# Altium PCB Lay-51943_B.brd.PcbDoc (part 4 of 8)
Units mil, origin at the board's own origin, x right, y up, seen from the top; angles counter-clockwise.
Board outline 2903.05 x 2405.84 mil, 6 copper layers (TOP, L2_GND_1, L3_INT_1, L4_PWR, L5_GND_2, BOTTOM), stack 60.244 mil thick; 568 components, 400 nets, 2143 pads, 1138 vias.
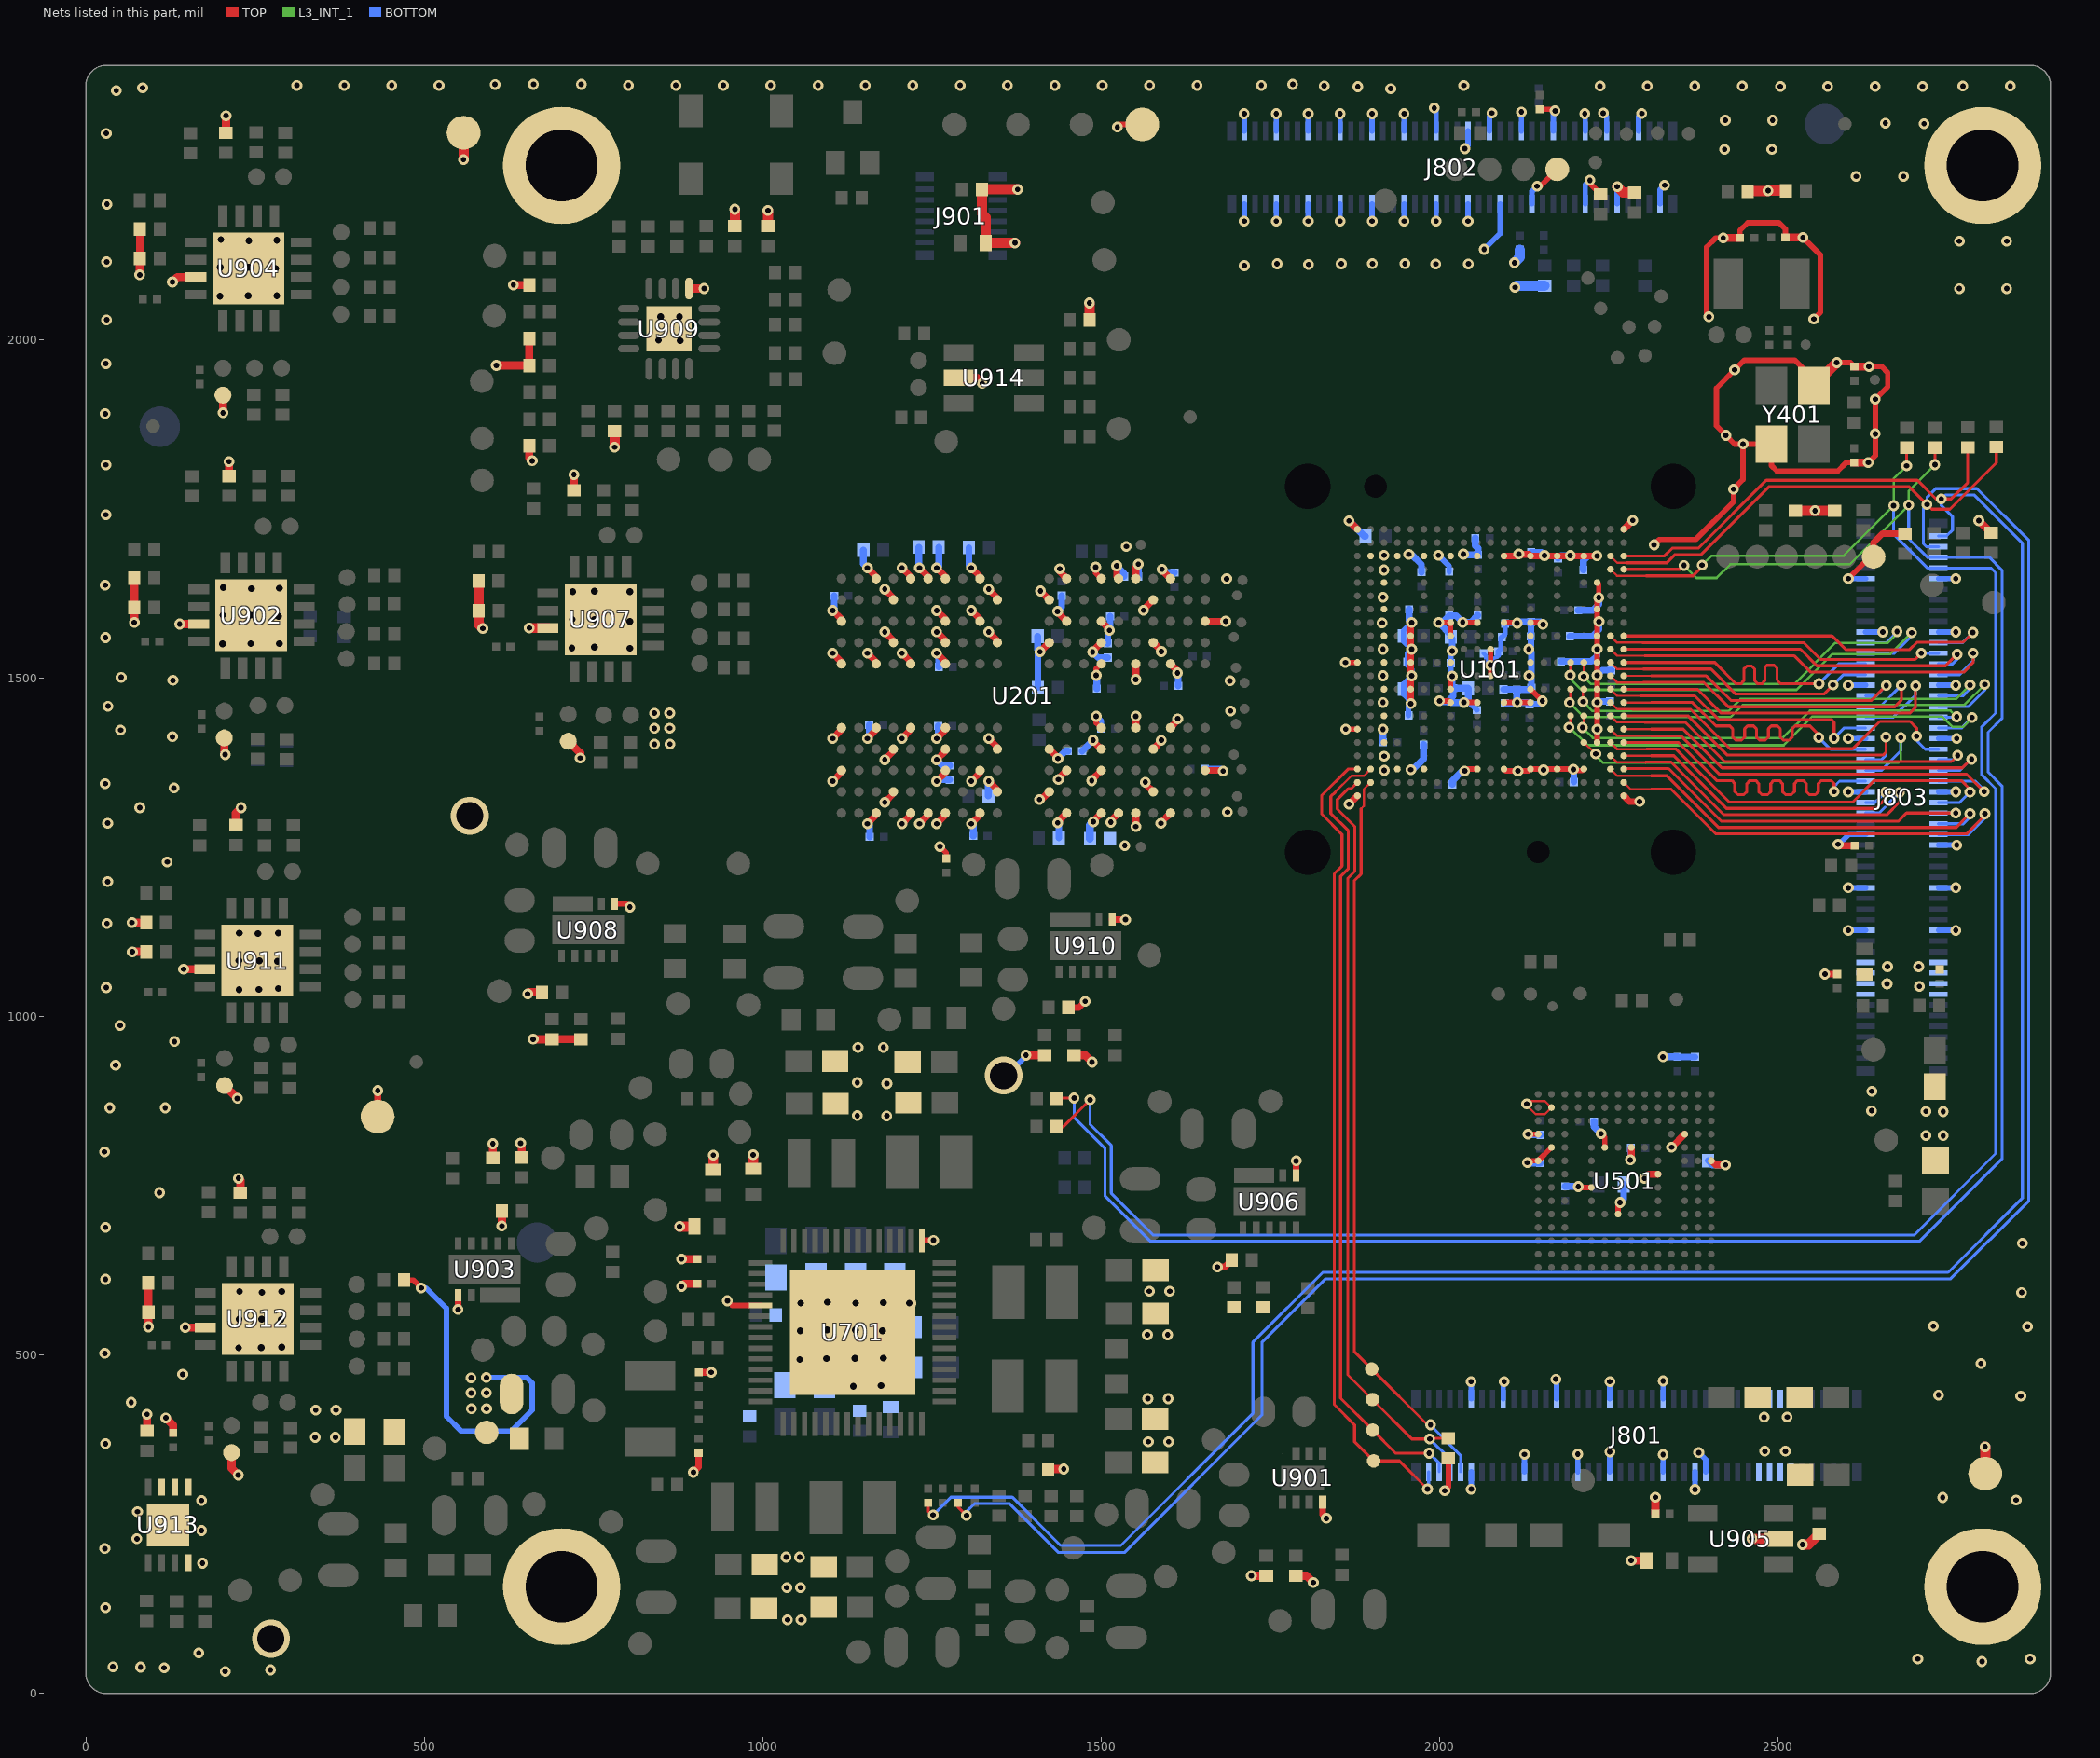
[diagram p8: the nets of this part, all layers, seen from the top]

## Via types
v1: diameter 16, hole 8, TOP to BOTTOM, tented both sides, 1003 vias
v2: diameter 20, hole 10, TOP to BOTTOM, tented both sides, 66 vias
v3: diameter 16, hole 8, TOP to BOTTOM, tented bottom, 63 vias
v4: diameter 56, hole 40, TOP to BOTTOM, 6 vias

## Nets (pads, with @x,y where several pads share a name; then routed paths per layer and width w, separated by ;. In a path a pad name is that pad's centre, name@x,y a point inside that pad or via, vN(x,y) a via of type N, cw(c..) or ccw(c..) an arc to the next point about the centre after c; other vN are vias at no path point) (continued)
GND: BH801.1 BH802.1 BH803.1 BH804.1 C101.2 C102.2 C106.2 C107.2 C108.2 C109.2 C110.2 C111.2 C114.2 C116.2 C117.2 C118.2 C119.2 C124.2 C129.2 C130.2 C131.2 C132.2 C134.2 C135.2 C136.2 C137.2 C138.2 C139.2 C140.2 C141.2 C142.2 C143.2 C144.2 C145.2 C146.2 C147.2 C148.2 C149.2 C151.2 C152.2 C153.2 C154.2 C155.2 C156.2 C201.2 C202.2 C203.2 C204.2 C205.2 C206.2 C207.2 C208.2 C209.2 C210.2 C211.2 C212.2 C213.2 C214.2 C215.2 C216.2 C217.2 C218.2 C219.2 C220.2 C221.2 C222.2 C401.2 C402.2 C403.2 C404.2 C405.2 C501.2 C502.2 C503.2 C504.2 C505.2 C506.2 C507.2 C508.2 C509.2 C701.1 C702.1 C703.2 C704.2 C705.2 C706.2 C707.2 C708.2 C709.1 C710.2 C711.2 C712.1 C713.1 C714.2 C715.2 C716.2 C717.2 C718.1 C719.2 C720.2 C721.1 C722.2 C723.2 C724.1 C725.2 C726.2 C727.2 C728.2 C729.2 C730.2 C731.2 C801.2 C802.2 C803.2 C804.2 C805.2 C806.2 C807.2 C808.2 C809.2 C901.2 C903.2 C904.2 C906.2 C909.2 C911.2 C912.2 C913.2 C914.2 C915.2 C916.2 C918.2 C919.2 C922.2 C923.2 C925.2 C926.2 C928.2 C929.2 C930.2 C931.2 C934.2 C935.2 C937.2 C938.2 C942.2 C943.2 C944.2 C946.2 C947.2 C951.2 C952.2 C953.2 C954.2 D601.C J801.11 J801.12 J801.13 J801.14 J801.15 J801.16 J801.17 J801.18 J801.28 J801.30 J801.35 J801.36 J801.45 J801.46 J801.52 J801.55 J801.62 J801.65 J801.71 J801.72 J802.1 J802.2 J802.7 J802.8 J802.13 J802.14 J802.19 J802.20 J802.25 J802.26 J802.31 J802.32 J802.37 J802.38 J802.43 J802.44 J802.48 J802.49 J802.54 J802.55 J802.60 J802.65 J802.66 J802.70 J802.71 J802.76 J802.79 J803.9 J803.10 J803.19 J803.20 J803.29 J803.30 J803.39 J803.40 J803.49 J803.50 J803.57 J803.60 J803.67 J803.68 J803.75 J803.76 J803.81 J803.82 J803.83 J803.84 J803.85 J803.86 J803.87 J803.88 J901.2 J901.12 R201.2 R204.2 R207.1 R208.1 R302.1 R303.2 R305.2 R403.2 R415.2 R416.2 R417.2 R418.2 R609.2 R610.2 R611.2 R612.2 R614.2 R718.2 R912.2 R913.2 R930.2 R933.2 R950.2 R955.2 R978.2 R979.2 R980.2 R981.2 R982.2 R992.2 R993.2 R1023.2 R1024.2 TP615.1 TP617.1 TP801.1 TP802.1 TP803.1 TP804.1 U101.A1 U101.A21 U101.AA1 U101.AA21 U101.C2 U101.C4 U101.C6 U101.C8 U101.C10 U101.C12 U101.C14 U101.C16 U101.C18 U101.E3 U101.E19 U101.G3 U101.G19 U101.H8 U101.H10 U101.H12 U101.H14 U101.J3 U101.J5 U101.J8 U101.J14 U101.J19 U101.K11 U101.L1 U101.L3 U101.L5 U101.L8 U101.L14 U101.L19 U101.M11 U101.N3 U101.N5 U101.N8 U101.N14 U101.N19 U101.P8 U101.P10 U101.P12 U101.P14 U101.R3 U101.R19 U101.T1 U101.U3 U101.U19 U101.W4 U101.W6 U101.W10 U101.W12 U101.W14 U101.W16 U101.W18 U201.A3 U201.A10 U201.AB3 U201.AB5 U201.AB8 U201.AB10 U201.C1 U201.C5 U201.C8 U201.C12 U201.D2 U201.D4 U201.D9 U201.D11 U201.E1 U201.E5 U201.E8 U201.E12 U201.G1 U201.G3 U201.G5 U201.G8 U201.G10 U201.G12 U201.J1 U201.J3 U201.J10 U201.J12 U201.K2 U201.K4 U201.K9 U201.K11 U201.N2 U201.N4 U201.N9 U201.N11 U201.P1 U201.P3 U201.P10 U201.P12 U201.T1 U201.T3 U201.T5 U201.T8 U201.T10 U201.T12 U201.V1 U201.V5 U201.V8 U201.V12 U201.W2 U201.W4 U201.W9 U201.W11 U201.Y1 U201.Y5 U201.Y8 U201.Y12 U501.A6 U501.C4 U501.E7 U501.G5 U501.H10 U501.J5 U501.K8 U501.N2 U501.N5 U501.P4 U501.P6 U701.5 U701.43 U701.57 U901.4 U902.3 U902.17 U903.6 U904.3 U904.17 U905.2 U906.6 U907.3 U907.17 U908.6 U909.13 U909.17 U910.6 U911.3 U911.17 U912.3 U912.17 U913.4 U913.5 U913.6 U913.7 U913.9 U914.2 Y401.2 Y401.4 | length 10622.9
  TOP w3: v1@2129.18,869.14 2142.18,856.14 2155.93,856.14 U501.N2@2165.72,865.93 2156.07,875.58 2133.51,875.58 v1(2129.18,871.25) v1@2129.18,869.14
  TOP w8: U908.6@781.55,1166.84 799.1,1166.84 v1(803.83,1162.11) ; v1(947.95,580.41) 955.04,573.32 U701.5@997.03,573.32 ; U701.43@1235.22,669.78 v1(1252.44,669.78) ; v1(1262.05,1251.7) 1271.41,1242.34 C153.2@1271.41,1233.94 ; v1(1492.09,1664.41) 1492.09,1655.81 U201.G1@1500.39,1647.51 ; v1(1493,1443.98) 1493,1434.43 U201.G8@1500.39,1427.04 ; v1(1493,1504.58) 1493,1514.13 U201.G5@1500.39,1521.52 ; v1(1524.21,2314.56) 1528.2,2318.55 TP802.1@1561,2318.55 ; v1(1861.17,1523.48) U101.L1@1878.87,1523.48 ; v1(1861.55,1425.05) U101.T1@1878.87,1425.06 ; v1(1998.97,1582.54) U101.H8@2016.66,1582.54 U101.J8@2016.66,1562.85 ; v1(2000.23,1466.86) 2014.23,1466.86 U101.P8@2016.66,1464.43 ; v1(2007.98,299.86) 2013.28,305.16 R403.2@2013.28,347.62 ; U101.N8@2016.66,1484.11 2016.67,1500.78 v1(2019.01,1503.12) ; v1(2034.37,1582.95) 2034.78,1582.54 U101.H10@2056.03,1582.54 ; v1(2036.36,1464.42) U101.P10@2056.04,1464.42 ; v1(2037.46,1363.29) 2040.06,1365.89 2040.17,1365.89 2040.28,1366 U101.W10@2056.03,1366 ; U101.M11@2075.72,1503.8 2075.72,1519.34 v1(2075.53,1519.53) 2075.72,1519.72 U101.K11@2075.72,1543.17 ; U101.W12@2095.41,1366 2098.12,1363.29 v1(2116.1,1363.29) 2132.07,1363.29 U101.W14@2134.78,1366 2151.88,1366 2153.13,1364.75 v1(2153.91,1364.75) 2155.16,1366 U101.W16@2174.15,1366 2191.55,1366 2191.9,1365.65 v1(2198.05,1365.65) 2199.95,1363.75 2211.27,1363.75 U101.W18@2213.52,1366 ; U101.P12@2095.41,1464.42 v1(2115.15,1464.42) U101.P14@2134.78,1464.42 ; U101.H12@2095.41,1582.54 2113.24,1582.54 2114.16,1581.62 v1(2114.83,1581.62) ; v1(2130.03,784.66) 2132.56,787.19 U501.P6@2146.04,787.19 U501.N5@2165.72,806.87 ; v1(2131.04,826.56) U501.P4@2146.04,826.56 ; U101.N14@2134.78,1484.11 v1(2152.19,1466.7) ; U101.H14@2134.78,1582.54 2150.38,1582.54 v1(2153.12,1579.8) ; v1(2144.48,2227.35) 2149.25,2227.35 TP615.1@2174.2,2252.3 ; R614.2@2148.23,2340.82 2168.84,2340.82 v3(2171.02,2338.64) ; v1(2205.31,749.1) 2206.59,747.82 U501.K8@2224.78,747.82 ; v1(2222.38,2236.04) 2222.38,2231.3 R415.2@2238.2,2215.48 ; U101.U19@2233.2,1405.37 v1(2233.2,1424.82) U101.R19@2233.2,1444.74 v1(2233.2,1464.51) U101.N19@2233.2,1484.11 v1(2233.2,1504.59) U101.L19@2233.2,1523.48 v1(2233.2,1543.21) U101.J19@2233.2,1562.85 2233.2,1581.22 v1(2235.95,1583.97) 2233.2,1586.72 U101.G19@2233.2,1602.22 2233.2,1616.94 v1(2235.62,1619.36) 2235.62,1639.17 U101.E19@2233.2,1641.59 ; v1(2239.11,827.16) 2244.46,821.81 U501.J5@2244.46,806.87 ; U501.H10@2264.15,708.45 2264.15,722.65 v1(2267.11,725.61) ; v1(2317.29,1697.39) 2325.23,1705.33 2378.97,1705.33 2434.47,1760.83 v1(2434.47,1779.64) 2448.82,1793.99 v1(2448.82,1846.31) ; v1(2398.26,2034.34) 2394.97,2037.63 2394.97,2137.6 2408.29,2150.92 v1(2419.53,2150.92) ; C402.2@2444.23,2150.92 2444.23,2162.19 2455.44,2173.4 2501.93,2173.4 2511.45,2163.88 C401.2@2511.45,2151.47 ; v1(2537.12,2151.47) 2563.24,2125.35 2563.24,2040.93 v1(2553.36,2031.05) ; Y401.4@2553.52,1932.93 2553.52,1941.8 2525.03,1970.29 2450.8,1970.29 v1(2436.39,1955.88) 2409.37,1928.86 2409.37,1873.23 v1(2423.41,1859.19) 2436.29,1846.31 v1(2448.82,1846.31) ; v1(2587.27,1966.68) 2607.48,1966.68 C403.2@2613.33,1960.83 ; v1(2604.35,1647.41) 2636.65,1679.71 TP617.1@2641.61,1679.71 ; C404.2@2613.11,1818.88 2601.14,1818.88 2588.59,1806.33 2498.9,1806.33 2490.52,1814.71 Y401.2@2490.52,1846.31 v1(2448.82,1846.31) ; v1(2633.87,1818.88) 2644.13,1829.14 v1(2644.13,1861.45) v1(2644.13,1912.53) 2662.59,1930.99 2662.59,1952.02 2653.78,1960.83 v1(2634.86,1960.83)
  TOP w10: TP803.1@431.16,852.58 v1(431.16,891.01) ; v1(549.96,567.43) U903.6@549.96,588.43 ; v1(897.71,327.01) 905.53,334.83 C717.2@905.53,355.93 ; C716.2@905.59,474.53 v1(924.18,474.53) ; v1(1103.63,1348.28) 1116.53,1361.18 U201.AB10@1116.53,1364.04 ; v1(1103.63,1411.28) 1116.53,1424.18 U201.AB8@1116.53,1427.04 ; v1(1103.63,1537.28) 1116.53,1524.38 U201.AB5@1116.53,1521.52 ; v1(1103.63,1600.28) 1116.53,1587.38 U201.AB3@1116.53,1584.52 ; v1(1154.83,1285.28) 1167.71,1298.16 U201.Y12@1167.71,1301.05 ; v1(1154.83,1411.28) 1167.71,1424.16 U201.Y8@1167.71,1427.04 ; v1(1154.83,1537.28) 1167.71,1524.4 U201.Y5@1167.71,1521.52 ; v1(1154.83,1663.28) 1167.71,1650.4 U201.Y1@1167.71,1647.51 ; v1(1180.43,1316.78) 1193.3,1329.65 U201.W11@1193.3,1332.55 ; v1(1180.43,1379.78) 1193.3,1392.65 U201.W9@1193.3,1395.54 ; v1(1180.43,1568.78) 1193.3,1555.91 U201.W4@1193.3,1553.02 ; v1(1180.43,1631.78) 1193.3,1618.91 U201.W2@1193.3,1616.01 ; v1(1206.03,1285.28) 1218.89,1298.14 U201.V12@1218.89,1301.05 ; v1(1206.03,1411.28) 1218.89,1424.14 U201.V8@1218.89,1427.04 ; v1(1206.03,1537.28) 1218.89,1524.42 U201.V5@1218.89,1521.52 ; v1(1206.03,1663.28) 1218.89,1650.42 U201.V1@1218.89,1647.51 ; v1(1257.23,1285.28) 1270.07,1298.12 U201.T12@1270.07,1301.05 ; v1(1257.23,1348.28) 1270.07,1361.12 U201.T10@1270.07,1364.04 ; v1(1257.23,1411.28) 1270.07,1424.12 U201.T8@1270.07,1427.04 ; v1(1257.23,1537.28) 1270.07,1524.44 U201.T5@1270.07,1521.52 ; v1(1257.23,1600.28) 1270.07,1587.44 U201.T3@1270.07,1584.52 ; v1(1257.23,1663.28) 1270.07,1650.44 U201.T1@1270.07,1647.51 ; v1(1308.43,1285.28) 1321.25,1298.1 U201.P12@1321.25,1301.05 ; v1(1308.43,1348.28) 1321.25,1361.1 U201.P10@1321.25,1364.04 ; v1(1308.43,1600.28) 1321.25,1587.46 U201.P3@1321.25,1584.52 ; v1(1308.43,1663.28) 1321.25,1650.46 U201.P1@1321.25,1647.51 ; v1(1334.03,1348.28) 1346.84,1335.47 U201.N11@1346.84,1332.55 ; v1(1334.03,1411.28) 1346.84,1398.47 U201.N9@1346.84,1395.54 ; v1(1334.03,1568.78) 1346.84,1555.97 U201.N4@1346.84,1553.02 ; v1(1334.03,1631.78) 1346.84,1618.97 U201.N2@1346.84,1616.01 ; v1(1409.13,1320.94) 1412.01,1320.94 U201.K11@1423.62,1332.55 ; v1(1409.92,1539.32) U201.K4@1423.62,1553.02 ; v1(1410.49,1629.14) U201.K2@1423.62,1616.01 ; U201.K9@1423.62,1395.54 1436.31,1382.85 v1(1436.31,1381.59) ; v1(1435.87,1599.06) 1435.87,1597.86 U201.J3@1449.21,1584.52 ; v1(1436.05,1286.68) 1436.05,1287.89 U201.J12@1449.21,1301.05 ; v1(1437.12,1350.67) 1437.12,1351.95 U201.J10@1449.21,1364.04 ; v1(1439.11,1661.86) 1439.11,1657.61 U201.J1@1449.21,1647.51 ; C954.2@1451.85,1013.65 1467.5,1013.65 v1(1476.59,1022.74) ; v1(1486.4,1348.99) 1486.4,1350.05 U201.G10@1500.39,1364.04 ; v1(1488.77,1288.17) 1488.77,1289.43 U201.G12@1500.39,1301.05 ; U201.G3@1500.39,1584.52 1512.57,1572.34 v1(1512.57,1571.06) ; U910.6@1516.68,1143.54 v1(1536.27,1143.54) ; v1(1551.53,1498.39) 1551.57,1498.43 U201.E5@1551.57,1521.52 ; v1(1551.57,1281.13) U201.E12@1551.57,1301.05 ; U201.E8@1551.57,1427.04 v1(1551.57,1444.04) ; U201.E1@1551.57,1647.51 1551.57,1664.99 v1(1555.27,1668.69) ; v1(1562.8,1600.68) 1562.8,1601.65 U201.D2@1577.16,1616.01 ; v1(1565.57,1346.73) 1565.57,1344.14 U201.D11@1577.16,1332.55 ; U201.D9@1577.16,1395.54 1589.06,1407.44 v1(1589.06,1408.72) ; U201.D4@1577.16,1553.02 1589.28,1540.9 v1(1589.28,1539.62) ; v1(1588.65,1285.91) 1588.65,1286.95 U201.C12@1602.75,1301.05 ; v1(1590.31,1661.23) 1590.31,1659.95 U201.C1@1602.75,1647.51 ; U201.C8@1602.75,1427.04 1613.33,1437.62 v1(1613.33,1440.35) ; U201.C5@1602.75,1521.52 1613.14,1511.13 v1(1613.14,1508.05) ; U201.A10@1653.93,1364.04 1679.39,1364.04 v1(1680.47,1362.96) ; U201.A3@1653.93,1584.52 1684.28,1584.52 v1(1684.33,1584.47) ; v1(1672.04,630.2) 1682.95,630.2 C952.2@1693.44,640.69 ; U906.6@1788.39,765.44 v1(1788.39,787.14) ; U901.4@1827.51,283.03 1827.51,264.46 v1(1833.11,258.86) ; v1(1866.4,1314.16) U101.AA1@1878.87,1326.63 ; v1(1866.4,1732.8) U101.A1@1878.87,1720.33 ; v1(1957.85,1462.75) 1957.85,1465.59 1957.61,1465.83 U101.N5@1957.61,1484.11 1957.61,1502.4 v1(1959.01,1503.8) 1957.61,1505.2 U101.L5@1957.61,1523.48 1957.61,1541.77 v1(1959.01,1543.17) 1957.61,1544.57 U101.J5@1957.61,1562.85 1957.61,1581.14 v1(1959.01,1582.54) ; U101.C12@2095.41,1680.96 2115.08,1680.96 2115.08,1681.39 v1(2117.51,1683.82) 2118.11,1683.22 2132.52,1683.22 U101.C14@2134.78,1680.96 2154.77,1680.96 v1(2155.4,1681.59) 2156.03,1680.96 U101.C16@2174.15,1680.96 2193.39,1680.96 v1(2193.39,1681.59) 2194.02,1680.96 U101.C18@2213.52,1680.96 v1(2233.04,1680.96) ; U101.AA21@2272.57,1326.63 2281.13,1318.07 v1(2295.96,1318.07) ; U101.A21@2272.57,1720.33 v1(2285.81,1733.57) ; v1(2282.27,788.5) 2283.83,790.06 U501.G5@2283.83,806.87 ; v1(2303.04,761.15) 2309.39,767.5 U501.E7@2323.2,767.5 ; v1(2343.2,807.36) 2362.4,826.56 U501.C4@2362.57,826.56 ; U501.A6@2401.94,787.19 2407.99,781.14 v1(2422.97,781.14) ; v1(2569.79,1063.05) C806.2@2587.79,1063.05 ; v1(2589.24,1255.05) 2591.57,1252.72 C808.2@2613.84,1252.72 ; TP617.1@2641.61,1679.71 2641.61,1700.83 2654.75,1713.97 R611.2@2687.96,1713.97
  TOP w12: v1(68.08,1139.19) R993.2@89.08,1139.19 ; v1(68.6,1096.09) C937.2@89.6,1096.09 ; v1(71.53,1582.69) C904.2@71.53,1604.95 R913.2@71.53,1648.35 ; v1(79.57,2096.22) C913.2@79.57,2120.27 79.85,2120.55 R933.2@79.85,2164.13 ; C943.2@90.49,388.32 v1(90.49,412.63) ; R1024.2@92.22,607.14 92.22,563.96 C947.2@92.44,563.74 v1(92.44,541.74) ; v1(118.12,407.4) 128.99,396.53 C944.2@128.99,384.98 ; v1(127.84,2085.73) 135.08,2092.97 U904.3@162.71,2092.97 ; v1(138.52,1580.36) U902.3@166.67,1580.36 ; v1(144.47,1070.26) U911.3@175.79,1070.26 ; v1(147.05,540.74) U912.3@176.45,540.74 ; v1(202.54,1892.47) R930.2@202.54,1918.59 ; R912.2@204.53,1411.98 204.53,1388.88 v1(205.9,1387.51) ; R992.2@204.8,898.4 v1(223.77,879.43) ; C911.2@207.08,2306.02 v1(207.08,2331.51) ; C903.2@211.63,1798.96 v1(211.63,1820.21) ; R1023.2@215.24,356.16 215.24,332.78 v1(225.16,322.86) ; C934.2@221.6,1283.12 221.6,1301.24 v1(229.27,1308.91) ; v1(225.41,761.28) 228.42,758.27 C946.2@228.42,740.28 ; C909.2@601.27,791.47 v1(601.27,812.47) ; v1(606.46,1962.51) R980.2@655.13,1962.51 R979.2@655.13,2002.17 ; v1(614.71,691.02) C951.2@614.71,713.02 ; v1(631.62,2081.49) R978.2@655.13,2081.49 ; v1(642.27,813.35) 643.87,811.75 C912.2@643.87,792.11 ; v1(652.85,1033.73) 655.34,1036.22 C953.2@673.85,1036.22 ; R981.2@655.13,1843.53 655.13,1825.93 v1(659.53,1821.53) ; v1(661,966.85) C930.2@688.75,966.85 688.79,966.89 C931.2@731.53,966.89 ; R950.2@712.89,1407.15 730.53,1389.51 v1(730.53,1382.45) ; C926.2@721.22,1778.14 v1(721.22,1801.28) ; v1(880.18,601.79) 883.92,605.53 C727.2@903.66,605.53 ; v1(880.33,642.04) C728.2@903.59,642.04 ; U909.13@891.12,2076.08 v1(913.48,2076.08) ; U914.2@1289.46,1944 1316.48,1944 v1(1324.36,1936.12) ; v1(1389.08,943.27) C938.2@1416.48,943.27 ; R718.2@1421.84,331.74 v1(1445,331.74) ; C935.2@1459.98,943.23 1476.54,943.23 v1(1486.85,932.92) ; v1(1722.22,174.02) C906.2@1744.22,174.02 ; C901.2@1788.03,174.15 1803.64,174.15 v1(1813.73,164.06) ; v1(2283.41,196.57) C914.2@2306.28,196.57 ; C919.2@2319.17,265.96 v1(2319.17,290.02) ; v1(2419.53,2150.92) C402.2@2444.23,2150.92 ; C401.2@2511.45,2151.47 v1(2537.12,2151.47) ; C404.2@2613.11,1818.88 v1(2633.87,1818.88) ; C403.2@2613.33,1960.83 v1(2634.86,1960.83) ; v1(2797.23,1733.27) R612.2@2815.21,1715.29
  TOP w15: v1(558.1,2266.63) TP801.1@558.1,2306.35 ; R955.2@580.09,1643.85 580.19,1643.75 C925.2@580.19,1600.05 580.19,1580.17 v1(586.49,1573.87) ; v1(655.31,1574.43) U907.3@682.81,1574.43 ; v1(781.27,1841.79) R982.2@781.27,1865.31 ; v1(877.33,690.12) C730.2@898.93,690.12 ; C731.2@927.09,774.09 v1(927.09,795.51) ; C929.2@959.04,2168.71 v1(959.04,2193.23) ; C729.2@985.94,775.01 v1(985.94,796.01) ; C928.2@1007.91,2168.71 v1(1007.91,2191.52) ; v1(1372.87,2143.53) C915.2@1329.57,2143.53 1329.57,2181.25 1324.03,2186.79 C916.2@1324.03,2222.59 v1(1376.86,2222.59) ; C942.2@1482.99,2029.66 v1(1482.99,2054.73) ; v1(2262.93,2226.7) 2271.42,2218.21 R416.2@2288.47,2218.21 ; R418.2@2455.48,2219.95 2485.09,2219.95 v1(2485.78,2220.64) R417.2@2511.89,2220.64 ; v1(2461.97,228.64) U905.2@2501.36,228.64 ; R609.2@2526.37,1747.76 v1(2555.1,1747.76) 2555.19,1747.67 R610.2@2584.13,1747.67 ; v1(2536.45,220.17) 2545.44,220.17 C918.2@2561.57,236.3 ; Y401.4@2553.52,1932.93 v1(2587.27,1966.68) ; TP804.1@2806.57,324.98 v1(2806.57,364.72)
  BOTTOM w6: C109.2@2065.54,1536.83 2068.93,1533.44 2068.93,1526.13 v1(2075.53,1519.53)
  BOTTOM w8: J901.12@1347.37,2144 1372.4,2144 v1(1372.87,2143.53) ; J901.2@1347.37,2222.74 1376.71,2222.74 v1(1376.86,2222.59) ; v4(1356.17,913.31) 1360.34,913.31 1389.08,942.05 v1(1389.08,943.27) ; v1(1711.75,2175.7) J802.1@1711.75,2201.2 ; J802.2@1711.75,2308.9 v1(1711.75,2334.4) ; v1(1759,2175.7) J802.7@1759,2201.2 ; J802.8@1759,2308.9 v1(1759,2334.4) ; v1(1806.24,2175.7) J802.13@1806.24,2201.2 ; J802.14@1806.24,2308.9 v1(1806.24,2334.4) ; v1(1853.49,2175.7) J802.19@1853.49,2201.2 ; J802.20@1853.49,2308.9 v1(1853.49,2334.4) ; v1(1900.73,2175.7) J802.25@1900.73,2201.2 ; J802.26@1900.73,2308.9 v1(1900.73,2334.4) ; v1(1947.97,2175.7) J802.31@1947.97,2201.2 ; J802.32@1947.97,2308.9 v1(1947.97,2334.4) ; C139.2@1954.4,1445.3 1954.4,1459.3 v1(1957.85,1462.75) 1957.85,1465.59 1947.21,1476.23 C136.2@1947.21,1484.06 1947.21,1492 v1(1959.01,1503.8) 1959.01,1513.33 1952.94,1519.4 C154.2@1952.94,1525.06 1952.94,1537.1 v1(1959.01,1543.17) 1947.09,1555.09 C151.2@1947.09,1562.76 1947.09,1570.62 v1(1959.01,1582.54) ; v1(1992.39,2342.8) 1995.22,2339.97 J802.38@1995.22,2308.9 ; v1(1995.22,2175.7) J802.37@1995.22,2201.2 ; v1(1998.8,1681.85) 2014.48,1666.17 C147.2@2014.48,1657.6 ; v1(2018.97,1540.57) 2016.97,1538.57 C140.2@2016.97,1522.56 2016.97,1505.16 v1(2019.01,1503.12) ; v1(2036.36,1464.42) 2044.26,1464.42 C146.2@2055.51,1453.17 ; v1(2037.69,2282.69) 2042.46,2287.46 J802.44@2042.46,2308.9 ; v1(2042.46,2175.56) J802.43@2042.46,2201.2 ; v1(2046.9,460.86) 2046.9,458.23 2047.14,457.99 J801.71@2047.14,435.31 ; v1(2047.14,301.99) J801.72@2047.14,327.61 ; v1(2066.24,2133.95) 2089.71,2157.42 J802.49@2089.71,2201.2 ; J802.48@2073.96,2308.9 2073.96,2329.87 2077.65,2333.56 v3(2077.65,2335.55) ; v1(2075.53,1519.53) 2075.72,1519.72 2075.72,1522.82 2087.12,1534.22 C106.2@2087.12,1540.08 2090.99,1543.95 2090.99,1559.6 C111.2@2092.51,1561.12 2097.04,1565.65 C101.2@2097.04,1581.14 2097.52,1581.62 v1(2114.83,1581.62) ; J801.65@2094.38,435.31 2094.38,459.37 v1(2095.82,460.81) ; J802.54@2121.2,2308.9 v3(2121.2,2337.07) ; J801.62@2125.88,327.61 v1(2125.88,353.55) ; J802.55@2136.95,2201.2 2136.95,2219.82 v1(2144.48,2227.35) ; J802.60@2168.45,2308.9 2168.45,2336.07 v3(2171.02,2338.64) ; v1(2172.02,464.52) 2173.12,463.42 J801.55@2173.12,435.31 ; J801.52@2204.62,327.61 v1(2204.62,353.86) ; v3(2214.94,2334.45) 2215.69,2333.7 J802.66@2215.69,2308.9 ; J802.65@2215.69,2201.2 2215.69,2229.35 v1(2222.38,2236.04) ; v3(2242.22,2335.28) 2247.19,2330.31 J802.70@2247.19,2308.9 ; J801.46@2251.86,327.61 v1(2251.86,357.19) ; J801.45@2251.86,435.31 v1(2251.86,460.81) ; J802.71@2262.93,2201.2 v1(2262.93,2226.7) ; J802.76@2294.43,2308.9 2294.43,2330.07 v3(2299.13,2334.77) ; J802.79@2325.93,2201.2 2325.93,2221.84 v1(2332.87,2228.78) ; J801.36@2330.6,327.61 v1(2330.6,353.11) ; J801.35@2330.6,435.31 v1(2330.6,461.99) ; v1(2377.84,301.49) J801.30@2377.84,327.61 ; v1(2383.3,356.05) 2393.59,345.76 J801.28@2393.59,327.61 ; v1(2589.24,1255.05) 2590.62,1255.05 2605.03,1269.46 J803.57@2629.85,1269.46 ; v1(2604.35,1127.73) J803.75@2629.85,1127.73 ; v1(2604.35,1190.72) J803.67@2629.85,1190.72 ; v1(2604.35,1332.45) J803.49@2629.85,1332.45 ; v1(2604.35,1411.19) J803.39@2629.85,1411.19 ; v1(2604.35,1489.93) J803.29@2629.85,1489.93 ; v1(2604.35,1647.41) J803.9@2629.85,1647.41 ; J803.19@2629.85,1568.67 v1(2655.35,1568.67) ; J803.76@2737.55,1127.73 v1(2763.05,1127.73) ; J803.68@2737.55,1190.72 v1(2763.05,1190.72) ; J803.60@2737.55,1253.71 v1(2764.46,1253.71) ; J803.50@2737.55,1332.45 v1(2763.05,1332.45) ; J803.40@2737.55,1411.19 v1(2764.5,1411.19) ; J803.30@2737.55,1489.93 v1(2763.05,1489.93) ; J803.20@2737.55,1568.67 v1(2763.05,1568.67) ; J803.10@2737.55,1647.41 v1(2763.05,1647.41)